# Altium PCB PCB.PcbDoc (part 7 of 10)
Units mm, origin at the board's own origin, x right, y up, seen from the top; angles counter-clockwise.
Board outline 25 x 25 mm, 10 copper layers (Top Layer, bu3, bu2, bu1, Core1, Core1b, bu1b, bu2b, bu3b, Bottom Layer), stack 1.2 mm thick; 43 components, 310 nets, 1945 pads, 12307 vias.
Unrouted connection lines stored in the file: 68.
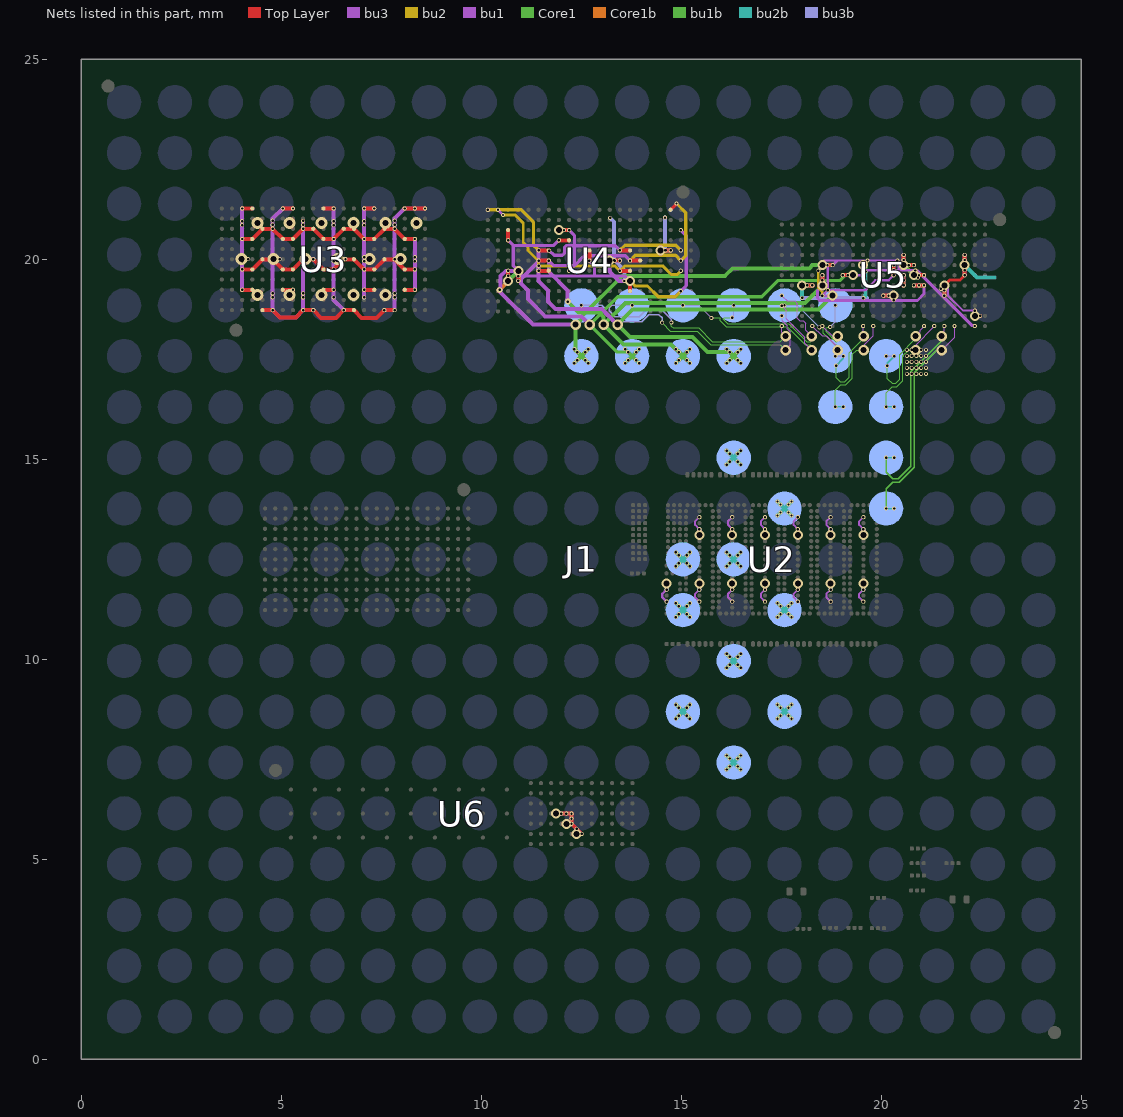
[diagram p15: the nets of this part, all layers, seen from the top]

## Via types
v1: diameter 0.1, hole 0.06, Top Layer to bu3, 2216 vias
v2: diameter 0.1, hole 0.06, bu3 to bu2, 1881 vias
v3: diameter 0.1, hole 0.06, bu3b to Bottom Layer, 1302 vias
v4: diameter 0.1, hole 0.06, bu2b to bu3b, 1272 vias
v5: diameter 0.1, hole 0.06, bu2 to bu1, 1248 vias
v6: diameter 0.15/0.1 (per signal layer), hole 0.06, Core1b to bu1b, 1224 vias
v7: diameter 0.1/0.15 (per signal layer), hole 0.06, bu1 to Core1, 1096 vias
v8: diameter 0.1, hole 0.06, bu1b to bu2b, 1021 vias
v9: diameter 0.25, hole 0.15, Core1 to Core1b, 537 vias
v10: diameter 0.3, hole 0.15, Core1 to Core1b, 253 vias
v11: diameter 0.1/0.1 (per signal layer), hole 0.06, bu1b to bu2b, 114 vias
v12: diameter 0.26, hole 0.15, Core1 to Core1b, 81 vias
v13: diameter 0.1, hole 0.06, bu1 to Core1, 52 vias
v14: diameter 0.105, hole 0.06, Top Layer to bu3, 6 vias
v15: diameter 0.1, hole 0.06, Core1b to bu1b, 4 vias

## Nets (pads, with @x,y where several pads share a name; then routed paths per layer and width w, separated by ;. In a path a pad name is that pad's centre, name@x,y a point inside that pad or via, vN(x,y) a via of type N, cw(c..) or ccw(c..) an arc to the next point about the centre after c; other vN are vias at no path point) (continued)
us__rx_out_9_n: J1.E8 U5.A9 | length 5.2
  bu3b w0.03: v3(15.04,18.85) 15.437,18.85 v4(15.753,18.534)
  bu1 w0.03: v2(17.512,18.84) 17.628,18.724 17.628,18.512 18.084,18.056 18.084,17.902 v6(18.257,17.729)
  bu1b w0.03: v4(15.753,18.534) 15.757,18.538 15.955,18.538 15.973,18.52 15.973,18.462 16.127,18.309 17.654,18.309 18.099,17.864 18.239,17.864 18.257,17.847 v6(18.257,17.729)
  other v1: 17.512,18.84
  other v5: 17.512,18.84
  other v7: 18.257,17.729
  other v8: 15.753,18.534
  other v12: 18.257,17.729
us__rx_out_9_p: J1.E7 U5.A8 | length 4.6
  bu3b w0.03: v4(16.273,18.542) 16.31,18.579 v3(16.31,18.85)
  bu1 w0.03: v1(17.512,19.094) 17.643,18.963 17.83,18.963 17.9,18.893 17.9,18.528 17.963,18.465 18.049,18.465 18.11,18.404 18.11,18.226 v6(18.257,18.079)
  bu1b w0.03: v4(16.273,18.542) 16.075,18.542 16.053,18.52 16.053,18.496 16.16,18.389 17.688,18.389 18.132,17.944 18.239,17.944 18.257,17.962 v6(18.257,18.079)
  other v2: 17.512,19.094
  other v5: 17.512,19.094
  other v7: 18.257,18.079
  other v8: 16.273,18.542
  other v12: 18.257,18.079
us__rx_out_10_n: J1.E9 U5.A11 | length 6
  bu3b w0.035: v3(13.77,18.85) 13.259,18.85 13.2,18.791 13.2,18.709 13.339,18.57 13.951,18.57 14.126,18.745 14.511,18.745 14.75,18.506 v8(14.75,18.42)
  bu1 w0.03: v5(17.512,18.332) 17.512,18.174 v7(17.607,18.079)
  bu1b w0.03: v8(14.75,18.42) 14.75,18.331 14.794,18.287 15.431,18.287 15.774,17.944 17.472,17.944 v7(17.607,18.079)
  other v1: 17.512,18.332
  other v2: 17.512,18.332
  other v4: 14.75,18.42
  other v6: 17.607,18.079
  other v12: 17.607,18.079
us__rx_out_10_p: J1.E10 U5.A10 | length 6.9
  bu3b w0.035: v3(12.5,18.85) 13.011,18.85 13.07,18.791 13.07,18.655 13.285,18.44 14.005,18.44 14.18,18.615 14.44,18.615 14.519,18.536 v4(14.519,18.417)
  bu1 w0.03: v2(17.512,18.586) 17.525,18.573 17.525,18.462 17.647,18.34 17.647,18.266 17.729,18.184 17.729,17.851 v7(17.607,17.729)
  bu1b w0.03: v4(14.519,18.417) 14.729,18.207 15.398,18.207 15.741,17.864 17.472,17.864 v7(17.607,17.729)
  other v1: 17.512,18.586
  other v5: 17.512,18.586
  other v6: 17.607,17.729
  other v8: 14.519,18.417
  other v12: 17.607,17.729
us__rx_out_11_n: J1.G5 U5.J11 | length 3
  bu3b w0.035: v8(18.85,16.31) v4(19.05,16.31)
  bu2b w0.035: v8(18.85,16.31) v4(19.05,16.31)
  bu1 w0.03: v6(19.557,17.729) 19.557,17.849 19.798,18.09 v5(19.798,18.332)
  bu1b w0.03: v8(18.85,16.31) 18.85,16.725 18.986,16.861 19.115,16.861 19.278,17.024 19.278,17.628 19.38,17.729 v6(19.557,17.729)
  other v1: 19.798,18.332
  other v2: 19.798,18.332
  other v3: 18.85,16.31
  other v7: 19.557,17.729
  other v12: 19.557,17.729
us__rx_out_11_p: J1.F5 U5.I11 | length 2.7
  bu3b w0.035: v3(18.85,17.58) v4(19.05,17.58)
  bu2b w0.035: v8(18.871,17.343) 19.05,17.522 v4(19.05,17.58)
  bu1 w0.03: v5(19.544,18.332) 19.55,18.326 19.55,18.086 v6(19.557,18.079)
  bu1b w0.03: v8(18.871,17.343) 18.871,17.043 18.975,16.939 19.08,16.939 19.198,17.057 19.198,17.661 19.55,18.012 19.55,18.072 v6(19.557,18.079)
  other v1: 19.544,18.332
  other v2: 19.544,18.332
  other v7: 19.557,18.079
  other v12: 19.557,18.079
us__rx_out_12_n: J1.G4 U5.P11 | length 3.1
  bu3b w0.035: v8(20.12,16.31) v4(20.32,16.31)
  bu2b w0.035: v8(20.12,16.31) v4(20.32,16.31)
  bu1 w0.03: v6(20.857,17.729) 20.857,17.856 21.322,18.321 v5(21.322,18.332)
  bu1b w0.03: v8(20.12,16.31) 20.12,16.668 20.269,16.817 20.389,16.817 20.535,16.963 20.535,17.584 20.68,17.729 v6(20.857,17.729)
  other v1: 21.322,18.332
  other v2: 21.322,18.332
  other v3: 20.12,16.31
  other v7: 20.857,17.729
  other v12: 20.857,17.729
us__rx_out_12_p: J1.F4 U5.O11 | length 2.8
  bu3b w0.035: v3(20.12,17.58) v4(20.32,17.58)
  bu2b w0.035: v8(20.147,17.335) 20.147,17.407 v4(20.32,17.58)
  bu1 w0.03: v6(20.857,18.079) 20.967,18.189 20.967,18.231 v1(21.068,18.332)
  bu1b w0.03: v8(20.147,17.335) 20.147,17.018 20.269,16.897 20.355,16.897 20.455,16.996 20.455,17.617 20.85,18.012 20.85,18.072 v6(20.857,18.079)
  other v2: 21.068,18.332
  other v5: 21.068,18.332
  other v7: 20.857,18.079
  other v12: 20.857,18.079
us__rx_out_13_n: J1.E5 U5.E11 | length 1.8
  bu3b w0.03: v8(18.722,18.309) 18.85,18.437 v3(18.85,18.85)
  bu1 w0.03: v5(18.528,18.332) 18.781,18.079 v6(18.907,18.079)
  bu1b w0.03: v8(18.722,18.309) 18.716,18.303 18.643,18.303 18.625,18.286 18.625,18.183 18.865,17.944 18.889,17.944 18.907,17.962 v6(18.907,18.079)
  other v1: 18.528,18.332
  other v2: 18.528,18.332
  other v4: 18.722,18.309
  other v7: 18.907,18.079
  other v12: 18.907,18.079
us__rx_out_13_p: J1.E6 U5.D11 | length 2.9
  bu3b w0.03: v3(17.58,18.85) 17.897,18.85 v4(18.449,18.298)
  bu1 w0.03: v5(18.274,18.332) 18.52,18.086 18.626,18.086 18.907,17.805 v6(18.907,17.729)
  bu1b w0.03: v4(18.449,18.298) 18.454,18.303 18.528,18.303 18.546,18.286 18.546,18.15 18.831,17.864 18.889,17.864 18.907,17.847 v6(18.907,17.729)
  other v1: 18.274,18.332
  other v2: 18.274,18.332
  other v7: 18.907,17.729
  other v8: 18.449,18.298
  other v12: 18.907,17.729
us__rx_out_14_n: J1.J4 U5.R11 | length 5.8
  bu3b w0.035: v8(20.12,13.77) v4(20.32,13.77)
  bu2b w0.035: v8(20.12,13.77) v4(20.32,13.77)
  bu1 w0.03: v7(21.507,17.729) 21.83,18.052 v5(21.83,18.332)
  bu1b w0.035: v8(20.12,13.77) 20.12,14.27 20.283,14.433 20.452,14.433 20.818,14.799 20.818,17.159 21.388,17.729 v7(21.507,17.729)
  other v1: 21.83,18.332
  other v2: 21.83,18.332
  other v3: 20.12,13.77
  other v6: 21.507,17.729
  other v12: 21.507,17.729
us__rx_out_14_p: J1.H4 U5.Q11 | length 5.4
  bu3b w0.035: v3(20.12,15.04) v4(20.32,15.04)
  bu2b w0.035: v3(20.12,15.04) v4(20.32,15.04)
  bu1 w0.03: v6(21.507,18.079) 21.576,18.148 v1(21.576,18.332)
  bu1b w0.035: v3(20.12,15.04) 20.12,14.676 20.283,14.513 20.419,14.513 20.738,14.832 20.738,17.192 21.507,17.962 v6(21.507,18.079)
  other v2: 21.576,18.332
  other v5: 21.576,18.332
  other v7: 21.507,18.079
  other v8: 20.12,15.04
  other v12: 21.507,18.079
VDD: J1.H7 J1.J6 J1.K7 J1.K8 J1.L6 J1.L8 J1.M7 J1.N6 J1.N8 J1.P7 U2.10 U2.12 U2.39 U2.41 U2.68 U2.70 U2.97 U2.99 U2.126 U2.128 U2.155 U2.157 U2.184 U2.186 U2.213 U2.215 U2.242 U2.244 U2.271 U2.273 U2.300 U2.302 U2.329 U2.331 U2.406 U2.408 U3.A11 U3.B3 U3.B5 U3.B8 U3.B11 U3.C3 U3.C5 U3.C8 U3.C11 U3.D1 U3.D6 U3.D9 U3.E1 U3.E6 U3.E9 U3.F3 U3.F5 U3.F8 U3.F11 U3.G3 U3.G5 U3.G8 U3.G11 U3.H1 U3.H6 U3.H9 U3.I1 U3.I6 U3.I9 U3.J3 U3.J5 U3.J8 U3.J11 U3.K3 U3.K5 U3.K8 U3.K11 U3.L1 U3.L6 U3.L9 U3.M1 U3.M6 U3.M9 U3.N3 U3.N5 U3.N8 U3.N11 U3.O3 U3.O5 U3.O8 U3.O11 U3.P1 U3.P6 U3.P9 U3.Q1 U3.Q6 U3.Q9 U3.R3 U3.R5 U3.R8 U3.R11 U3.S3 U3.S5 U3.S8 U3.S11 U4.C7 U4.C8 U4.H3 U4.I3 U4.I7 U4.M6 U4.N6 U4.R5 U4.S5 U5.C7 U5.D7 U5.I5 U5.I6 U5.K8 U5.L8 U5.M4 U5.M5 U5.N5 U5.Q7 U5.Q8 U5.S4 U5.S5 U5.S6 U5.T10 U6.D7 U6.D8 U6.E7 U6.F6 | length 86.4
  Top Layer w0.07: v1(21.576,19.348) 21.71,19.482 21.964,19.482 v1(22.084,19.602)
  Top Layer w0.1: v1(4.021,19.239) U3.R3@4.275,19.239 ; v1(4.021,19.747) U3.R5@4.275,19.747 U3.Q6@4.529,20.001 v1(4.783,20.001) U3.O5@5.037,19.747 U3.N5@5.291,19.747 v1(5.545,20.001) U3.L6@5.799,20.001 U3.K5@6.053,19.747 v1(6.307,19.747) U3.I6@6.561,20.001 U3.H6@6.815,20.001 v1(7.069,19.747) U3.F5@7.323,19.747 U3.E6@7.577,20.001 v1(7.831,20.001) U3.C5@8.085,19.747 v1(8.339,19.747) ; v1(4.021,20.509) U3.R8@4.275,20.509 U3.Q9@4.529,20.763 v1(4.783,20.763) U3.O8@5.037,20.509 U3.N8@5.291,20.509 v1(5.545,20.763) U3.L9@5.799,20.763 U3.K8@6.053,20.509 v1(6.307,20.509) U3.I9@6.561,20.763 U3.H9@6.815,20.763 v1(7.069,20.509) U3.F8@7.323,20.509 U3.E9@7.577,20.763 v1(7.831,20.763) U3.C8@8.085,20.509 v1(8.339,20.509) ; v1(4.021,21.271) U3.R11@4.275,21.271 ; U3.Q1@4.529,18.731 v1(4.783,18.731) 4.965,18.549 5.363,18.549 v1(5.545,18.731) v1(5.799,18.731) 5.997,18.533 6.363,18.533 v1(6.561,18.731) U3.H1@6.815,18.731 7.01,18.536 7.382,18.536 v1(7.577,18.731) v1(7.831,18.731) ; U3.O3@5.037,19.239 v1(5.291,19.239) ; v1(5.037,21.271) v1(5.291,21.271) ; U3.K3@6.053,19.239 v1(6.307,19.239) ; U3.K11@6.053,21.271 v1(6.307,21.271) ; v1(7.069,19.239) U3.F3@7.323,19.239 ; v1(7.069,21.271) v1(7.323,21.271) ; U3.C3@8.085,19.239 v1(8.339,19.239) ; v1(8.085,21.271) v1(8.339,21.271) v1(8.593,21.271) ; v1(10.67,19.46) v1(10.67,19.714) ; v1(11.94,20.73) v1(12.194,20.73) ; v1(12,6.143) v1(12.254,6.143) v1(12.254,5.889) v1(12.508,5.635) ; v1(13.21,19.968) v1(13.464,19.968) ; v1(14.48,20.222) v1(14.734,20.222) ; v1(18.02,19.348) v1(18.274,19.348) ; v1(19.544,19.602) v1(19.544,19.856) ; v1(20.052,19.094) v1(20.306,19.094) ; v1(20.56,20.11) v1(20.56,19.856) v1(20.814,19.856) ; v1(21.576,19.094) v1(21.576,19.348) ; v1(22.084,19.602) v1(22.084,19.856) v1(22.084,20.11)
  bu3 w0.05: v1(15.452,11.444) 15.347,11.549 15.347,11.639 v1(15.452,11.744) ; v1(15.452,13.254) 15.347,13.359 15.347,13.449 v1(15.452,13.554) ; v1(16.272,11.444) 16.167,11.549 16.167,11.639 v2(16.272,11.744) ; v1(16.272,13.254) 16.167,13.359 16.167,13.449 v1(16.272,13.554) ; v1(17.092,11.444) 16.987,11.549 16.987,11.639 v1(17.092,11.744) ; v1(17.092,13.254) 16.987,13.359 16.987,13.449 v1(17.092,13.554) ; v1(17.912,11.444) 17.807,11.549 17.807,11.639 v1(17.912,11.744) ; v1(17.912,13.254) 17.807,13.359 17.807,13.449 v1(17.912,13.554) ; v1(18.732,11.444) 18.627,11.549 18.627,11.639 v1(18.732,11.744) ; v1(18.732,13.254) 18.627,13.359 18.627,13.449 v1(18.732,13.554) ; v1(19.552,11.444) 19.447,11.549 19.447,11.639 v1(19.552,11.744) ; v1(19.552,13.254) 19.447,13.359 19.447,13.449 v1(19.552,13.554)
  bu3 w0.06: v1(14.632,11.444) 14.527,11.549 14.527,11.639 v1(14.632,11.744)
  bu3 w0.1: v1(4.021,19.239) v1(4.021,19.747) v1(4.021,20.509) v1(4.021,21.271) ; v1(5.291,21.271) v1(5.037,21.271) 4.783,21.017 v1(4.783,20.763) v1(4.783,20.001) v1(4.783,18.731) 4.963,18.551 5.365,18.551 v1(5.545,18.731) ; v2(5.545,20.964) v1(5.545,20.763) v1(5.545,20.001) v1(5.545,18.731) ; v1(5.799,18.731) v1(5.545,18.731) ; v1(6.307,21.271) v1(6.307,20.509) v1(6.307,19.747) v1(6.307,19.239) 6.307,18.985 v1(6.561,18.731) ; v2(7.069,19.05) v1(7.069,19.239) v1(7.069,19.747) v1(7.069,20.509) v1(7.069,21.271) v1(7.323,21.271) ; v1(7.577,18.731) v1(7.831,18.731) v1(7.831,20.001) v1(7.831,20.763) 7.831,21.017 v1(8.085,21.271) v1(8.339,21.271) v1(8.593,21.271) ; v1(8.339,19.239) v1(8.339,19.747) v1(8.339,20.509) ; v1(10.67,19.46) v2(10.67,19.587) v1(10.67,19.714) ; v1(11.94,20.73) v2(12.067,20.73) v1(12.194,20.73) ; v1(12,6.143) v1(12.254,6.143) v1(12.254,5.889) v1(12.508,5.635) ; v1(13.21,19.968) v2(13.337,19.968) v1(13.464,19.968) ; v1(14.48,20.222) v2(14.607,20.222) v1(14.734,20.222) ; v1(18.02,19.348) v2(18.147,19.348) v1(18.274,19.348) ; v1(19.544,19.602) v2(19.544,19.729) v1(19.544,19.856) ; v1(20.052,19.094) v2(20.179,19.094) v1(20.306,19.094) ; v1(20.56,20.11) v2(20.56,19.983) v1(20.56,19.856) v2(20.687,19.856) v1(20.814,19.856) ; v1(21.576,19.094) v2(21.576,19.221) v1(21.576,19.348) ; v1(22.084,19.602) v2(22.084,19.729) v1(22.084,19.856) v2(22.084,19.983) v1(22.084,20.11) ; v1(22.338,18.586) v2(22.469,18.586)
  Core1 w0.1: v1(10.67,19.46) v9(10.924,19.714) ; v1(20.56,19.856) v9(20.814,19.602)
  Core1b w0.1: v6(10.459,19.235) 10.67,19.446 v1(10.67,19.46) v9(10.924,19.714) ; v1(20.56,19.856) v9(20.814,19.602)
  bu3b w0.1: v4(13.219,21.035) 13.323,20.931 v4(13.323,19.978) 13.577,19.724 v4(13.577,19.459) ; v4(14.592,21.041) 14.595,21.038 v4(14.595,20.231) ; v4(14.865,8.515) v3(14.94,8.59) 15.04,8.69 ; v4(14.865,8.865) v3(14.94,8.79) 15.04,8.69 ; v4(14.865,11.055) v3(14.94,11.13) 15.04,11.23 ; v4(14.865,11.405) v3(14.94,11.33) 15.04,11.23 ; v4(14.865,12.325) v3(14.94,12.4) 15.04,12.5 ; v4(14.865,12.675) v3(14.94,12.6) 15.04,12.5 ; v4(15.215,8.515) v3(15.14,8.59) 15.04,8.69 ; v4(15.215,8.865) v3(15.14,8.79) 15.04,8.69 ; v4(15.215,11.055) v3(15.14,11.13) 15.04,11.23 ; v4(15.215,11.405) v3(15.14,11.33) 15.04,11.23 ; v4(15.215,12.325) v3(15.14,12.4) 15.04,12.5 ; v4(15.215,12.675) v3(15.14,12.6) 15.04,12.5 ; v4(16.135,7.245) v3(16.21,7.32) 16.31,7.42 ; v4(16.135,7.595) v3(16.21,7.52) 16.31,7.42 ; v4(16.135,9.785) v3(16.21,9.86) 16.31,9.96 ; v4(16.135,10.135) v3(16.21,10.06) 16.31,9.96 ; v4(16.135,12.325) v3(16.21,12.4) 16.31,12.5 ; v4(16.135,12.675) v3(16.21,12.6) 16.31,12.5 ; v4(16.135,14.865) v3(16.21,14.94) 16.31,15.04 ; v4(16.135,15.215) v3(16.21,15.14) 16.31,15.04 ; v4(16.485,7.245) v3(16.41,7.32) 16.31,7.42 ; v4(16.485,7.595) v3(16.41,7.52) 16.31,7.42 ; v4(16.485,9.785) v3(16.41,9.86) 16.31,9.96 ; v4(16.485,10.135) v3(16.41,10.06) 16.31,9.96 ; v4(16.485,12.325) v3(16.41,12.4) 16.31,12.5 ; v4(16.485,12.675) v3(16.41,12.6) 16.31,12.5 ; v4(16.485,14.865) v3(16.41,14.94) 16.31,15.04 ; v4(16.485,15.215) v3(16.41,15.14) 16.31,15.04 ; v4(17.405,8.515) v3(17.48,8.59) 17.58,8.69 ; v4(17.405,8.865) v3(17.48,8.79) 17.58,8.69 ; v4(17.405,11.055) v3(17.48,11.13) 17.58,11.23 ; v4(17.405,11.405) v3(17.48,11.33) 17.58,11.23 ; v4(17.405,13.595) v3(17.48,13.67) 17.58,13.77 ; v4(17.405,13.945) v3(17.48,13.87) 17.58,13.77 ; v4(17.755,8.515) v3(17.68,8.59) 17.58,8.69 ; v4(17.755,8.865) v3(17.68,8.79) 17.58,8.69 ; v4(17.755,11.055) v3(17.68,11.13) 17.58,11.23 ; v4(17.755,11.405) v3(17.68,11.33) 17.58,11.23 ; v4(17.755,13.595) v3(17.68,13.67) 17.58,13.77 ; v4(17.755,13.945) v3(17.68,13.87) 17.58,13.77 ; v4(18.021,19.038) 19.648,19.038
  bu2 w0.1: v1(10.67,19.46) v2(10.67,19.587) v1(10.67,19.714) ; v1(11.94,20.73) v2(12.067,20.73) v1(12.194,20.73) ; v1(13.21,19.968) v2(13.337,19.968) ; v1(14.48,20.222) v2(14.607,20.222) v1(14.734,20.222) ; v1(18.02,19.348) v2(18.147,19.348) v1(18.274,19.348) ; v2(19.544,19.729) v1(19.544,19.856) ; v2(20.179,19.094) v1(20.306,19.094) ; v2(20.56,19.983) v1(20.56,19.856) v2(20.687,19.856) ; v2(21.576,19.221) v1(21.576,19.348) ; v2(22.084,19.729) v1(22.084,19.856) v2(22.084,19.983) ; v5(22.337,18.716) 22.338,18.715 v1(22.338,18.586) v2(22.469,18.586)
  bu2b w0.1: v1(13.21,19.968) 13.313,19.968 v4(13.323,19.978) ; v4(13.577,19.459) 13.717,19.459 v7(13.718,19.46) ; v1(14.48,20.222) 14.489,20.231 v4(14.595,20.231) ; v4(14.865,8.515) 15.04,8.69 ; v4(14.865,8.865) 15.04,8.69 ; v4(14.865,11.055) 15.04,11.23 ; v4(14.865,11.405) 15.04,11.23 ; v4(14.865,12.325) 15.04,12.5 ; v4(14.865,12.675) 15.04,12.5 ; v4(15.215,8.515) 15.04,8.69 ; v4(15.215,8.865) 15.04,8.69 ; v4(15.215,11.055) 15.04,11.23 ; v4(15.215,11.405) 15.04,11.23 ; v4(15.215,12.325) 15.04,12.5 ; v4(15.215,12.675) 15.04,12.5 ; v4(16.135,7.245) 16.31,7.42 ; v4(16.135,7.595) 16.31,7.42 ; v4(16.135,9.785) 16.31,9.96 ; v4(16.135,10.135) 16.31,9.96 ; v4(16.135,12.325) 16.31,12.5 ; v4(16.135,12.675) 16.31,12.5 ; v4(16.135,14.865) 16.31,15.04 ; v4(16.135,15.215) 16.31,15.04 ; v4(16.485,7.245) 16.31,7.42 ; v4(16.485,7.595) 16.31,7.42 ; v4(16.485,9.785) 16.31,9.96 ; v4(16.485,10.135) 16.31,9.96 ; v4(16.485,12.325) 16.31,12.5 ; v4(16.485,12.675) 16.31,12.5 ; v4(16.485,14.865) 16.31,15.04 ; v4(16.485,15.215) 16.31,15.04 ; v4(17.405,8.515) 17.58,8.69 ; v4(17.405,8.865) 17.58,8.69 ; v4(17.405,11.055) 17.58,11.23 ; v4(17.405,11.405) 17.58,11.23 ; v4(17.405,13.595) 17.58,13.77 ; v4(17.405,13.945) 17.58,13.77 ; v4(17.755,8.515) 17.58,8.69 ; v4(17.755,8.865) 17.58,8.69 ; v4(17.755,11.055) 17.58,11.23 ; v4(17.755,11.405) 17.58,11.23 ; v4(17.755,13.595) 17.58,13.77 ; v4(17.755,13.945) 17.58,13.77 ; v1(18.02,19.348) 18.02,19.039 v4(18.021,19.038) ; v4(19.551,19.03) 19.61,19.089 v11(19.61,19.696) ; v1(22.084,19.856) 22.397,19.543 22.828,19.543
  bu1 w0.05: v1(21.576,19.348) 21.667,19.257 21.667,19.093 22.044,18.716 v5(22.337,18.716)
  bu1 w0.06: v1(14.632,11.744) 14.632,11.747 v5@14.633,11.748 ; v1(15.452,11.744) 15.452,11.747 v5@15.453,11.748 ; v1(15.452,13.254) 15.452,13.251 v5@15.453,13.25 ; v2(16.272,11.744) v5@16.272,11.747 ; v5@16.273,13.25 16.272,13.251 v1(16.272,13.254) ; v1(17.092,11.744) 17.092,11.747 v5@17.093,11.748 ; v1(17.092,13.254) 17.092,13.251 v5@17.093,13.25 ; v1(17.912,11.744) 17.912,11.747 v5@17.913,11.748 ; v1(17.912,13.254) 17.912,13.251 v5@17.913,13.25 ; v1(18.732,11.744) v5@18.732,11.747 ; v5@18.733,13.25 18.732,13.251 v1(18.732,13.254) ; v1(19.552,11.744) 19.552,11.747 v5@19.553,11.748 ; v1(19.552,13.254) 19.552,13.251 v5@19.553,13.25 ; v5@16.272,11.747 v5@16.273,11.748 ; v5@18.732,11.747 v5@18.733,11.748
  bu1 w0.08: v2(12.067,20.73) 12.071,20.726 12.198,20.726 12.327,20.597 12.327,19.847 v1(12.194,19.714)
  bu1 w0.1: v13(4.006,20.003) v5(4.169,20.003) ; v13(4.806,20.003) v5(4.957,20.003) ; v13(5.606,20.003) v5(5.801,20.003) ; v13(6.406,20.003) v5(6.604,20.003) ; v1(10.67,19.46) v2(10.67,19.587) ; v1(11.94,20.73) v2(12.067,20.73) ; v1(13.21,19.968) 13.21,19.695 13.445,19.46 v7(13.718,19.46) ; v9(14.632,11.894) 14.633,11.893 v5@14.633,11.748 ; v9(15.452,11.894) 15.453,11.893 v5@15.453,11.748 ; v9(15.452,13.104) 15.453,13.105 v5@15.453,13.25 ; v5@16.273,11.748 v7@16.273,11.893 ; v9(16.272,13.104) 16.273,13.105 v5@16.273,13.25 ; v9(17.092,11.894) 17.093,11.893 v5@17.093,11.748 ; v9(17.092,13.104) 17.093,13.105 v5@17.093,13.25 ; v9(17.912,11.894) 17.913,11.893 v5@17.913,11.748 ; v9(17.912,13.104) v9(17.912,13.104) v5@17.913,13.25 ; v5@18.733,11.748 v7@18.733,11.893 ; v9(18.732,13.104) v9(18.732,13.104) v5@18.733,13.25 ; v9(19.552,11.894) 19.553,11.893 v5@19.553,11.748 ; v9(19.552,13.104) v9(19.552,13.104) v5@19.553,13.25 ; v5(22.337,18.716) 22.338,18.715 v1(22.338,18.586) ; v7(16.272,11.894) v7@16.273,11.893 ; v9(18.732,11.894) v7@18.733,11.893
  bu1b w0.1: v6(10.459,19.235) 10.459,19.249 v1(10.67,19.46) v9(10.924,19.714) ; v1(19.544,19.856) 19.61,19.79 v11(19.61,19.696) ; v1(20.306,19.094) 20.306,18.982 v11(20.31,18.978) ; v9(20.814,19.602) 20.875,19.541 v11(20.916,19.541) ; v11(21.486,19.262) 21.572,19.348 v1(21.576,19.348)
  other v1: 16.272,11.744
  other v2: 12.508,5.635 12.381,5.762 12.254,5.889 12.254,6.016 12,6.143 12.127,6.143 14.632,11.744 15.452,11.744 17.092,11.744 17.912,11.744 18.732,11.744 19.552,11.744 15.452,13.254 16.272,13.254 17.092,13.254 17.912,13.254 18.732,13.254 19.552,13.254 22.338,18.586 4.783,19.05 5.545,19.05 6.307,19.05 7.831,19.05 4.783,19.15 5.545,19.15 7.831,19.15 5.291,19.239 18.274,19.348 10.67,19.714 12.194,19.714 4.021,19.952 6.307,19.952 7.069,19.952 8.339,19.952 4.783,20.001 5.545,20.001 7.831,20.001 4.021,20.052 6.307,20.052 7.069,20.052 8.339,20.052 14.734,20.222 12.194,20.73 4.021,20.852 4.783,20.864 5.545,20.864 6.307,20.852 7.069,20.852 7.831,20.864 4.021,20.952 4.783,20.965 6.307,20.952 7.069,20.952 7.831,20.965
  other v4: 20.638,17.139 20.758,17.139 20.878,17.139 20.998,17.139 21.118,17.139 20.638,17.289 20.758,17.289 20.878,17.289 20.998,17.289 21.118,17.289 20.638,17.439 20.758,17.439 20.878,17.439 20.998,17.439 21.118,17.439 20.638,17.589 20.758,17.589 20.878,17.589 20.998,17.589 21.118,17.589 20.638,17.739 20.758,17.739 20.878,17.739 20.998,17.739 21.118,17.739 20.31,18.978 21.486,19.262 20.916,19.541
  other v5: 12.381,5.635 12.127,5.889 11.873,6.143 14.632,11.744 15.452,11.744 16.272,11.744 17.092,11.744 17.912,11.744 18.732,11.744 19.552,11.744 15.452,13.254 16.272,13.254 17.092,13.254 17.912,13.254 18.732,13.254 19.552,13.254 4.406,19.103 5.206,19.103 6.006,19.103 6.806,19.103 7.606,19.103 20.306,19.094 18.02,19.348 21.576,19.348 10.67,19.46 10.67,19.587 12.194,19.714 19.544,19.856 20.56,19.856 22.084,19.856 13.21,19.968 7.206,20.003 7.981,20.003 14.48,20.222 11.94,20.73 12.067,20.73 12.194,20.73 4.406,20.903 5.206,20.903 6.006,20.903 6.806,20.903 7.606,20.903 8.381,20.903
  other v6: 12.381,5.635 12.127,5.889 11.873,6.143 14.632,11.894 15.452,11.894 16.272,11.894 17.092,11.894 17.912,11.894 18.732,11.894 19.552,11.894 15.452,13.104 16.272,13.104 17.092,13.104 17.912,13.104 18.732,13.104 19.552,13.104 22.338,18.586 4.406,19.103 5.206,19.103 6.006,19.103 6.806,19.103 7.606,19.103 20.306,19.094 18.02,19.348 21.576,19.348 10.67,19.46 13.718,19.46 20.814,19.602 10.924,19.714 19.544,19.856 22.084,19.856 13.21,19.968 4.006,20.003 4.806,20.003 5.606,20.003 6.406,20.003 7.206,20.003 7.981,20.003 14.48,20.222 11.94,20.73 4.406,20.903 5.206,20.903 6.006,20.903 6.806,20.903 7.606,20.903 8.381,20.903
  other v7: 12.381,5.635 12.127,5.889 11.873,6.143 14.632,11.894 15.452,11.894 17.092,11.894 17.912,11.894 18.732,11.894 19.552,11.894 15.452,13.104 16.272,13.104 17.092,13.104 17.912,13.104 18.732,13.104 19.552,13.104 22.338,18.586 20.306,19.094 18.02,19.348 21.576,19.348 10.67,19.46 19.544,19.856 20.56,19.856 22.084,19.856 13.21,19.968 14.48,20.222 11.94,20.73
  other v9: 12.381,5.635 12.127,5.889 11.873,6.143 16.272,11.894 22.338,18.586 20.306,19.094 18.02,19.348 21.576,19.348 10.67,19.46 13.718,19.46 19.544,19.856 20.56,19.856 22.084,19.856 13.21,19.968 14.48,20.222 11.94,20.73
  other v10: 4.406,19.103 5.206,19.103 6.006,19.103 6.806,19.103 7.606,19.103 4.006,20.003 4.806,20.003 5.606,20.003 6.406,20.003 7.206,20.003 7.981,20.003 4.406,20.903 5.206,20.903 6.006,20.903 6.806,20.903 7.606,20.903 8.381,20.903
  other v11: 12.381,5.635 12.127,5.889 11.873,6.143 14.632,11.894 15.452,11.894 16.272,11.894 17.092,11.894 17.912,11.894 18.732,11.894 19.552,11.894 15.452,13.104 16.272,13.104 17.092,13.104 17.912,13.104 18.732,13.104 19.552,13.104 22.338,18.586 4.406,19.103 5.206,19.103 6.006,19.103 6.806,19.103 7.606,19.103 10.459,19.235 18.02,19.348 10.67,19.46 13.718,19.46 10.924,19.714 22.084,19.856 13.21,19.968 4.006,20.003 4.806,20.003 5.606,20.003 6.406,20.003 7.206,20.003 7.981,20.003 14.48,20.222 11.94,20.73 4.406,20.903 5.206,20.903 6.006,20.903 6.806,20.903 7.606,20.903 8.381,20.903
  other v13: 4.406,19.103 5.206,19.103 6.006,19.103 6.806,19.103 7.606,19.103 7.206,20.003 7.981,20.003 4.406,20.903 5.206,20.903 6.006,20.903 6.806,20.903 7.606,20.903 8.381,20.903
VPD: J1.F10 U4.C3 U4.C4 U4.D7 U4.D8 U4.H4 U4.I4 U4.K5 U4.K6 U4.O8 U4.O9 U4.T3 U4.T9 U5.E8 U5.L5 U5.L6 | length 26.7
  Top Layer w0.1: v1(10.67,20.476) U4.C3@10.67,20.73 ; v1(10.924,19.46) v1(10.924,19.714) ; v1(11.94,20.476) U4.I4@12.194,20.476 ; v1(12.702,19.968) U4.K5@12.702,20.222 ; U4.O9@13.718,19.206 v1(13.718,19.46) ; v1(20.306,19.602) v1(20.306,19.856)
  bu3 w0.06: v1@18.528,19.095 v2(18.662,19.231) ; v2(18.655,19.856) 18.658,19.853 18.658,19.234 v2(18.662,19.231)
  bu3 w0.08: v1(10.67,20.476) 10.797,20.349 ; v2(10.924,19.581) 12.828,19.581 ; v1(10.924,19.714) 10.797,19.841 10.797,20.349 ; v1(11.94,20.476) 11.813,20.349 10.797,20.349 ; v1(12.702,19.968) 12.828,19.842 12.828,19.581 ; v1(13.718,19.46) 13.597,19.581 12.828,19.581
  bu3 w0.1: v1(10.924,19.46) v2(10.924,19.581) v1(10.924,19.714) ; v1(20.306,19.602) v2(20.306,19.729) v1(20.306,19.856)
  bu3b w0.1: v4(12.325,17.405) v3(12.4,17.48) 12.5,17.58 ; v4(12.325,17.755) v3(12.4,17.68) 12.5,17.58 ; v4(12.675,17.405) v3(12.6,17.48) 12.5,17.58 ; v4(12.675,17.755) v3(12.6,17.68) 12.5,17.58
  bu2 w0.08: v1(13.718,19.46) 13.844,19.334 14.155,19.334 14.423,19.066 14.848,19.066 v1(14.988,19.206)
  bu2 w0.1: v2(10.924,19.581) v1(10.924,19.714) ; v5(18.528,19.856) v2(18.655,19.856) ; v1(20.306,19.602) v2(20.306,19.729)
  bu2b w0.1: v4(12.325,17.405) v3(12.4,17.48) 12.5,17.58 ; v4(12.325,17.755) v3(12.4,17.68) 12.5,17.58 ; v4(12.675,17.405) v3(12.6,17.48) 12.5,17.58 ; v4(12.675,17.755) v3(12.6,17.68) 12.5,17.58
  bu1 w0.06: v2(18.662,19.231) 18.664,19.229 19.604,19.229 19.853,19.478 20.182,19.478 v1(20.306,19.602)
  bu1 w0.08: v1(14.988,19.206) 15.124,19.342 15.124,20.594 v1(14.988,20.73)
  bu1 w0.1: v1(10.924,19.714) 10.612,19.714 10.479,19.581 10.479,19.173 11.287,18.365 v12(12.36,18.365)
  bu1b w0.1: v3(12.4,17.48) 12.5,17.58 ; v3(12.6,17.48) 12.5,17.58 ; v3(12.6,17.68) 12.5,17.58 ; v5(18.528,19.856) 18.284,19.856 18.202,19.774 16.276,19.774 16.091,19.589 13.532,19.589 12.508,18.565 12.508,18.513 v12(12.36,18.365) 12.36,17.72 v3(12.4,17.68) 12.5,17.58
  other v1: 18.528,19.094
  other v2: 14.988,19.206 13.718,19.46 14.988,20.73
  other v5: 14.988,19.206 18.662,19.231 20.306,19.602 10.924,19.714 14.988,20.73
  other v6: 12.36,18.365 18.528,19.856
  other v7: 12.36,18.365 18.528,19.856
  other v8: 12.4,17.48 12.6,17.48 12.4,17.68 12.6,17.68
  other v9: 18.528,19.856
VREF0: J1.F9 U4.A1 U4.F5 U4.G5 U4.N5 U4.O5 U4.T5 U5.G6 U5.H6 U5.N6 U5.O6 U5.T11 | length 25.9
  Top Layer w0.1: v1(11.432,20.222) U4.G5@11.686,20.222 ; v1(13.464,20.222) U4.O5@13.718,20.222 ; v1(19.036,19.602) v1(19.29,19.602) ; v1(20.814,19.602) v1(21.068,19.602)
  bu3 w0.08: v1(11.432,20.222) 11.434,20.22 11.694,20.22 v2(11.696,20.218) 11.701,20.218 11.818,20.101 12.029,20.101 12.076,20.148 12.076,20.291 12.123,20.338 13.348,20.338 v1(13.464,20.222)
  bu3 w0.1: v1(19.036,19.602) v2(19.163,19.602) v1(19.29,19.602) ; v1(20.814,19.602) v2(20.941,19.602) v1(21.068,19.602)
  bu3b w0.1: v4(13.595,17.405) v3(13.67,17.48) 13.77,17.58 ; v4(13.595,17.755) v3(13.67,17.68) 13.77,17.58 ; v4(13.945,17.405) v3(13.87,17.48) 13.77,17.58 ; v4(13.945,17.755) v3(13.87,17.68) 13.77,17.58
  bu2 w0.08: v1(10.162,21.238) 11,21.238 11.302,20.936 11.302,20.352 v1(11.432,20.222) 11.434,20.22 11.694,20.22 v2(11.696,20.218) ; v1(13.464,20.222) 13.593,20.351 14.859,20.351 v1(14.988,20.222)
  bu2 w0.1: v2(19.163,19.602) v1(19.29,19.602) ; v5(20.852,19.72) 20.852,19.691 v2(20.941,19.602)
  bu2b w0.1: v4(13.595,17.405) v3(13.67,17.48) 13.77,17.58 ; v4(13.595,17.755) v3(13.67,17.68) 13.77,17.58 ; v4(13.945,17.405) v3(13.87,17.48) 13.77,17.58 ; v4(13.945,17.755) v3(13.87,17.68) 13.77,17.58
  bu1 w0.07: v1(19.29,19.602) 19.517,19.602 19.64,19.725 v5@20.847,19.725 ; v5(20.852,19.72) 20.857,19.714 20.897,19.714 22.273,18.338 22.332,18.338 v1(22.338,18.332)
  bu1 w0.1: v1(11.432,20.222) 11.432,19.951 10.991,19.51 10.991,19.398 11.164,19.225 11.164,19.003 11.598,18.569 12.507,18.569 v7@12.71,18.366
  bu1b w0.08: v3(13.67,17.48) 13.77,17.58 ; v3(13.87,17.48) 13.77,17.58 ; v3(13.87,17.68) 13.77,17.58 ; v1(19.29,19.602) 19.104,19.602 18.975,19.473 17.421,19.473 17.013,19.065 13.41,19.065 v12(12.71,18.365) 13.395,17.68 v3(13.67,17.68) 13.77,17.58
  other v2: 22.338,18.332 13.464,20.222 14.988,20.222 10.162,21.238
  other v5: 22.338,18.332 19.29,19.602 11.432,20.222
  other v6: 12.71,18.365 19.29,19.602
  other v7: 12.71,18.365 19.29,19.602
  other v8: 13.67,17.48 13.87,17.48 13.67,17.68 13.87,17.68
  other v9: 19.29,19.602
VREF1: J1.F8 U4.F6 U4.G6 U4.O6 U4.P6 U4.S1 U4.T6 U5.E6 U5.E7 U5.N7 U5.O7 | length 23.8
  Top Layer w0.08: U4.S1@14.734,21.238 14.875,21.379 14.875,21.392 v1(14.879,21.396)
  Top Layer w0.1: v1(11.432,19.968) v5(11.686,19.968) ; v1(13.718,19.968) U4.P6@13.972,19.968 ; v1(18.528,19.348) v1(18.528,19.602) ; v1(20.814,19.348) v1(21.068,19.348)
  bu3 w0.08: v1(11.432,19.968) v5(11.686,19.968) 11.808,19.846 12.333,19.846 12.575,20.088 13.598,20.088 v1(13.718,19.968)
  bu3 w0.1: v1(18.528,19.348) v2(18.528,19.475) v1(18.528,19.602) ; v1(20.814,19.348) v2(20.941,19.348) v1(21.068,19.348)
  Core1 w0.1: v7(12.161,18.941) 12.434,18.668 12.955,18.668 13.06,18.563 v12(13.06,18.365)
  bu3b w0.1: v4(14.865,17.405) v3(14.94,17.48) 15.04,17.58 ; v4(14.865,17.755) v3(14.94,17.68) 15.04,17.58 ; v4(15.215,17.405) v3(15.14,17.48) 15.04,17.58 ; v4(15.215,17.755) v3(15.14,17.68) 15.04,17.58
  bu2 w0.08: v1(13.718,19.968) 13.85,20.1 14.856,20.1 v1(14.988,19.968) 15.109,20.089 15.109,21.166 v1(14.879,21.396)
  bu2 w0.1: v1(18.528,19.348) v2(18.528,19.475) ; v2(20.941,19.348) v1(21.068,19.348)
  bu2b w0.1: v4(14.865,17.405) v3(14.94,17.48) 15.04,17.58 ; v4(14.865,17.755) v3(14.94,17.68) 15.04,17.58 ; v4(15.215,17.405) v3(15.14,17.48) 15.04,17.58 ; v4(15.215,17.755) v3(15.14,17.68) 15.04,17.58
  bu1 w0.07: v1(18.528,19.348) 18.402,19.222 18.402,19.03 18.459,18.973 20.903,18.973 21.068,19.138 v1(21.068,19.348)
  bu1 w0.1: v5(11.686,19.968) 11.686,19.696 12.158,19.224 12.158,18.944 v7(12.161,18.941)
  bu1b w0.1: v3(14.94,17.48) 15.04,17.58 ; v3(15.14,17.48) 15.04,17.58 ; v3(15.14,17.68) 15.04,17.58 ; v1(18.528,19.348) 18.093,18.913 13.608,18.913 v12(13.06,18.365) 13.551,17.874 14.746,17.874 15.04,17.58
  other v2: 11.686,19.968 13.718,19.968 14.988,19.968 14.879,21.396
  other v5: 18.528,19.348 21.068,19.348
  other v6: 13.06,18.365 18.528,19.348
  other v7: 18.528,19.348
  other v8: 14.94,17.48 15.14,17.48 14.94,17.68 15.14,17.68
  other v9: 18.528,19.348
VREF2: J1.F7 U4.B1 U4.F7 U4.G7 U4.N7 U4.O7 U4.T7 U5.E5 U5.F5 U5.M6 U5.M7 | length 25.2
  Top Layer w0.1: v1(11.432,19.714) U4.G7@11.686,19.714 ; v1(13.464,19.714) U4.O7@13.718,19.714 ; v1(18.528,19.856) v1(18.782,19.856) ; v1(20.56,19.348) v1(20.56,19.602)
  bu3 w0.06: v2(18.428,19.719) 18.428,19.73 18.52,19.822 18.52,19.848 v1(18.528,19.856) 18.532,19.861 18.532,19.929 18.574,19.971 18.903,19.971 ; v1(18.782,19.856) 18.788,19.856 18.903,19.971 ; v2(19.654,19.971) 18.903,19.971 ; v5(20.403,19.971) 20.403,19.96 20.437,19.926 20.437,19.725 v1(20.56,19.602)
  bu3 w0.07: v1(10.416,21.238) v1(10.416,21.238) 10.543,21.109 v2(10.543,21.107)
  bu3 w0.1: v1(11.432,19.714) v2(11.432,19.836) ; v1(20.56,19.348) v2(20.56,19.475) v1(20.56,19.602)
  bu3b w0.1: v4(16.135,17.405) v3(16.21,17.48) 16.31,17.58 ; v4(16.135,17.755) v3(16.21,17.68) 16.31,17.58 ; v4(16.485,17.405) v3(16.41,17.48) 16.31,17.58 ; v4(16.485,17.755) v3(16.41,17.68) 16.31,17.58
  bu2 w0.06: v2(18.428,19.719) 18.423,19.714 18.423,19.283 18.518,19.188 18.518,19.104 v5(18.526,19.096)
  bu2 w0.07: v2(10.543,21.107) 10.849,21.107 11.047,20.909 11.047,20.423 11.17,20.3 11.17,20.224 11.432,19.962 v2(11.432,19.836) 13.342,19.836 v1(13.464,19.714) 13.585,19.835 14.536,19.835 14.747,19.624 14.898,19.624 v1(14.988,19.714)
  bu2 w0.1: v1(11.432,19.714) v2(11.432,19.836) ; v1(20.56,19.348) v2(20.56,19.475)
  bu2b w0.1: v4(16.135,17.405) v3(16.21,17.48) 16.31,17.58 ; v4(16.135,17.755) v3(16.21,17.68) 16.31,17.58 ; v4(16.485,17.405) v3(16.41,17.48) 16.31,17.58 ; v4(16.485,17.755) v3(16.41,17.68) 16.31,17.58
  bu1 w0.06: v5(18.526,19.096) 18.528,19.094 v7(18.782,19.094) ; v2(19.654,19.971) v5(20.403,19.971)
  bu1 w0.1: v1(11.432,19.714) 11.432,19.461 11.669,19.224 11.669,18.946 11.858,18.757 13.018,18.757 v12(13.41,18.365)
  bu1b w0.1: v3(16.21,17.48) 16.31,17.58 ; v3(16.41,17.48) 16.31,17.58 ; v3(16.41,17.68) 16.31,17.58 ; v7(18.782,19.094) 18.428,18.74 13.785,18.74 v12(13.41,18.365) 13.721,18.054 15.275,18.054 15.649,17.68 v3(16.21,17.68) 16.31,17.58
  other v2: 20.56,19.348 13.464,19.714 14.988,19.714 20.403,19.971
  other v5: 11.432,19.714 19.654,19.971
  other v6: 13.41,18.365 18.782,19.094
  other v7: 13.41,18.365
  other v8: 16.21,17.48 16.41,17.48 16.21,17.68 16.41,17.68
  other v9: 18.782,19.094